# KiCad board corevus-toolboard-panelize3.kicad_pcb (continued)
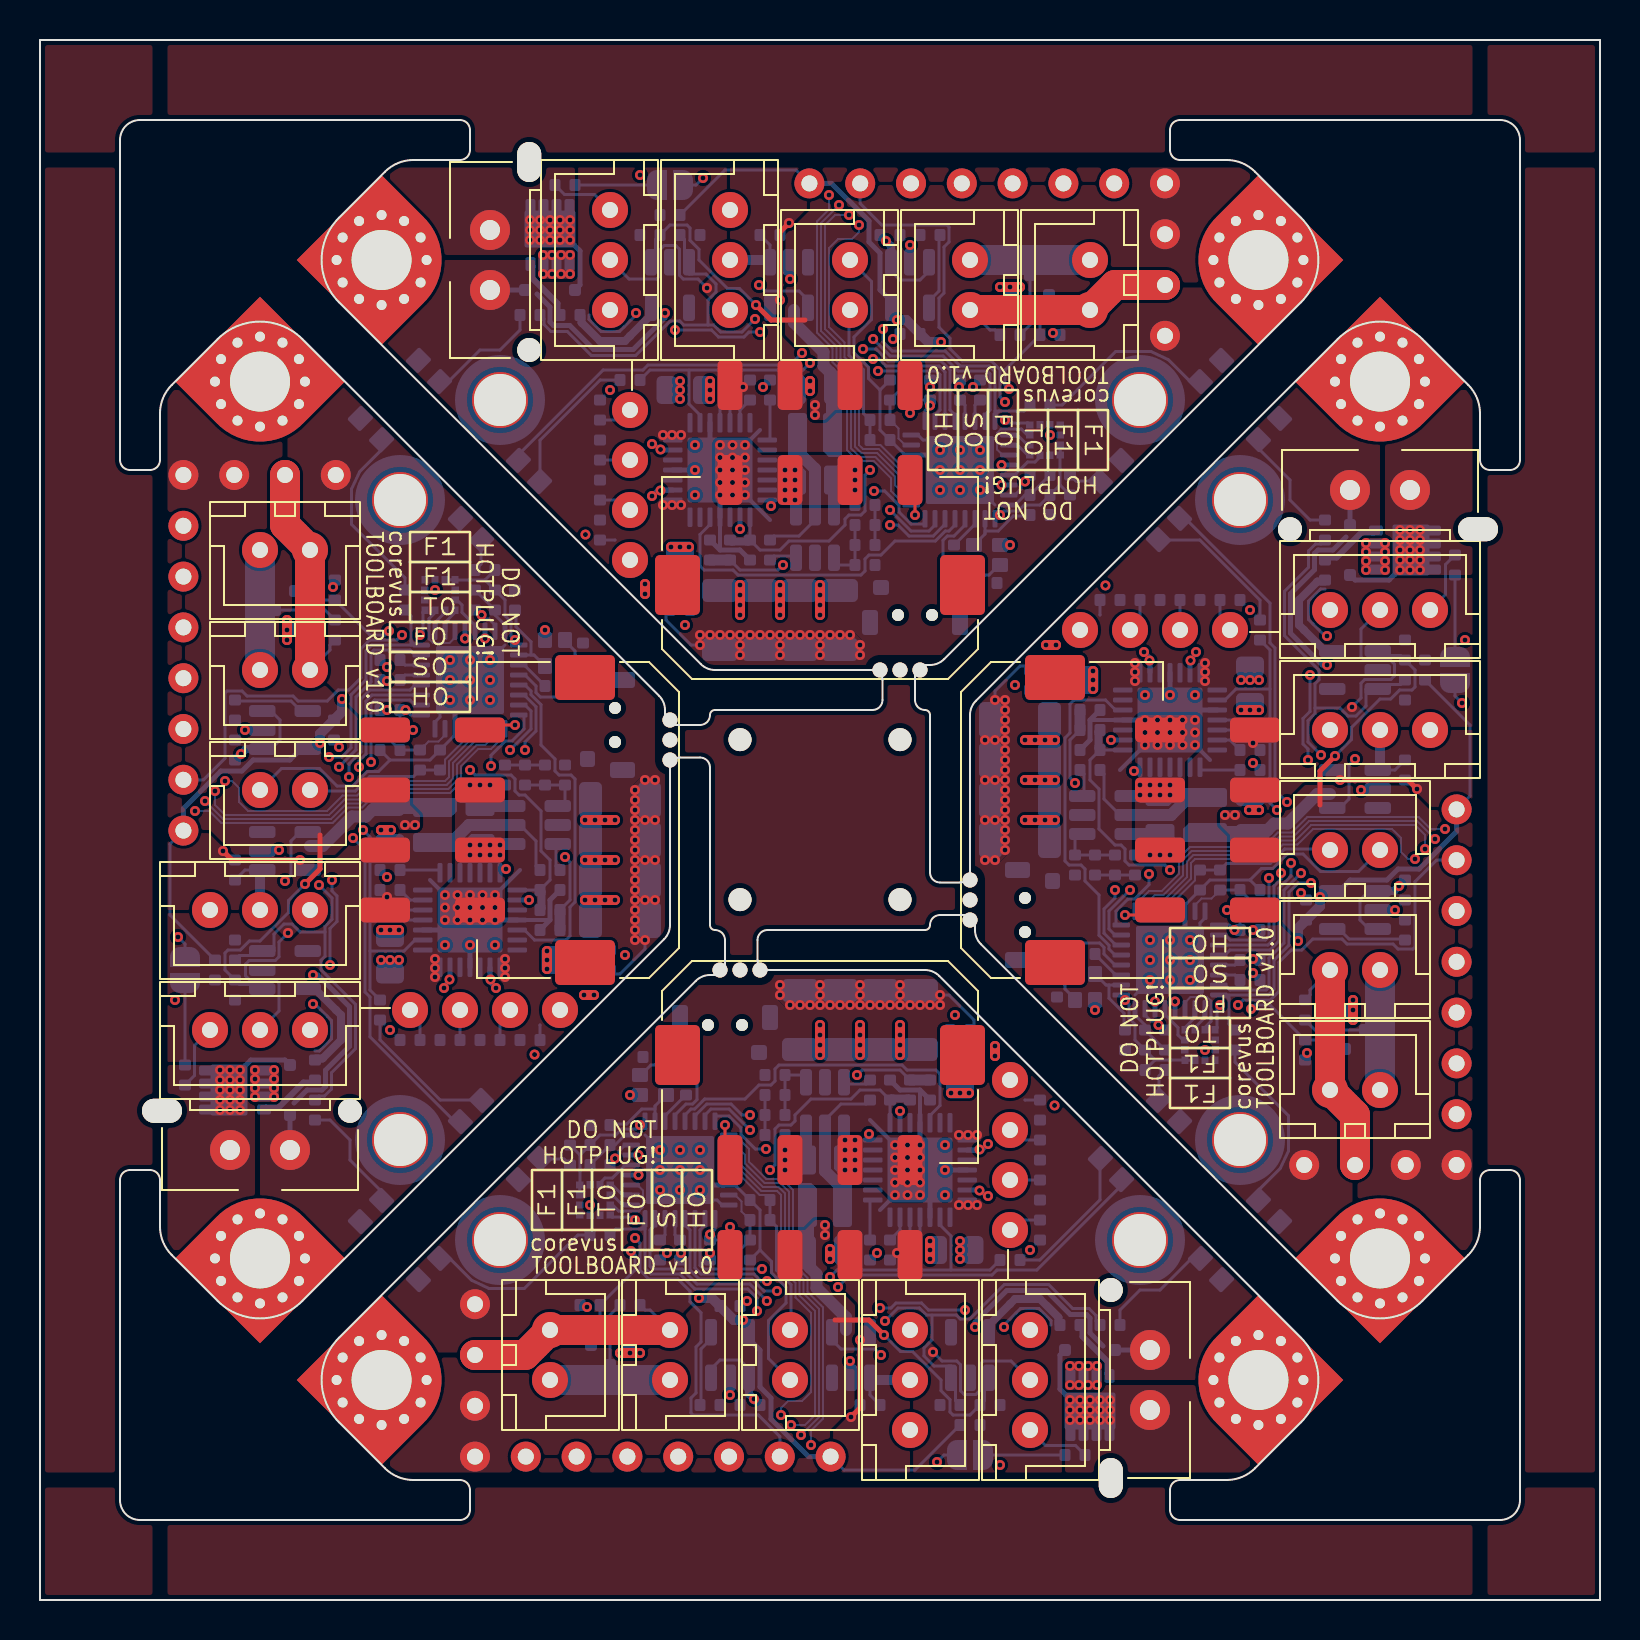
[diagram p0: board, top side]
## Routing (per net, layer and track width the routed paths; a pad name or vN(x,y) marks a point on that pad's centre or on a via; arc(x,y) is an arc through that point) (continued)
  Bottom w0.15: 33.75,24.2 34.45,24.2 35.05,23.6 35.05,23.27 35.77,22.55 v1(36.3,22.55) ; 44.25,53.8 43.55,53.8 42.95,54.4 42.95,54.73 42.23,55.45 v1(41.7,55.45) ; 24.2,44.25 24.2,43.55 23.6,42.95 23.27,42.95 22.55,42.23 v1(22.55,41.7) ; 53.8,33.75 53.8,34.45 54.4,35.05 54.73,35.05 55.45,35.77 v1(55.45,36.3)
  Bottom w0.4: v1(36.55,54.7) 36.55,54.9 ; v1(23.3,36.55) 23.1,36.55 ; v1(54.7,41.45) 54.9,41.45 ; v1(41.45,23.3) 41.45,23.1
/~{En}: length 85.7
  In1.Cu w0.15: v1(61.85,39.5) 62.5,38.85 62.5,37.79 61.45,36.74 v1(61.45,36.1) ; v1(39.5,16.15) 38.85,15.5 37.79,15.5 36.74,16.55 v1(36.1,16.55) ; v1(16.55,41.9) 16.55,41.26 15.5,40.21 15.5,39.15 v1(16.15,38.5) ; v1(38.5,61.85) 39.15,62.5 40.21,62.5 41.26,61.45 v1(41.9,61.45)
  Bottom w0.15: R21#3.2 30.5,61.5 38.15,61.5 v1(38.5,61.85) ; 45.55,16.5 45.55,18.2 45,18.75 U4#2.2 ; v1(41.9,61.45) 44.82,61.45 45,61.27 45,59.5 44.75,59.25 U3.18 ; v1(61.45,36.1) 61.45,33.18 61.27,33 59.5,33 59.25,33.25 U3#3.18 ; v1(39.5,16.15) 39.85,16.5 47.5,16.5 R21.2 ; 16.5,32.45 18.2,32.45 18.75,33 U4#4.2 ; U4#3.2 59.25,45 59.8,45.55 61.5,45.55 ; v1(16.15,38.5) 16.5,38.15 16.5,30.5 R21#4.2 ; U3#4.18 33.25,18.75 33,18.5 33,16.73 33.18,16.55 v1(36.1,16.55) ; 32.45,61.5 32.45,59.8 33,59.25 U4.2 ; v1(61.85,39.5) 61.5,39.85 61.5,47.5 R21#2.2 ; v1(16.55,41.9) 16.55,44.82 16.73,45 18.5,45 18.75,44.75 U3#2.18
/~{Reset}: length 16.8
  Bottom w0.15: SW1.1 32.85,27.07 32.85,25.02 32.63,24.8 32.3,24.8 31.75,24.25 U3#4.4 ; U3#2.4 24.25,46.25 24.8,45.7 24.8,45.37 25.02,45.15 27.07,45.15 27.38,45.45 ; U3#3.4 53.75,31.75 53.2,32.3 53.2,32.63 52.98,32.85 50.92,32.85 50.62,32.55 ; SW1#4.1 45.15,50.92 45.15,52.98 45.37,53.2 45.7,53.2 46.25,53.75 U3.4
Net-(C3-Pad1): length 12
  Bottom w0.15: R12#4.1 51.23,31.77 51.23,31.52 C3.1 51.25,30.75 51.25,30.55 51.75,30.05 ; 30.05,26.25 30.55,26.75 30.75,26.75 C3#4.1 31.52,26.77 31.77,26.77 R12.1 ; 47.95,51.75 47.45,51.25 47.25,51.25 C3#3.1 46.48,51.23 46.23,51.23 R12#2.1 ; 26.25,47.95 26.75,47.45 26.75,47.25 C3#2.1 26.77,46.48 26.77,46.23 R12#3.1
Net-(C28-Pad1): length 8
  Bottom w0.15: R15#2.2 C28#3.1 ; R15.2 C28.1 ; R15#3.2 C28#2.1 ; R15#4.2 C28#4.1
Net-(D1-A): length 12.2
  Bottom w0.25: D1#4.2 51,12.25 51,10.54 51.29,10.25 v1(51.5,10) 51.45,10.25 ; D1#2.2 27,65.75 27,67.46 26.71,67.75 v1(26.5,68) 26.55,67.75 ; D1#3.2 12.25,27 10.54,27 10.25,26.71 v1(10,26.5) 10.25,26.55 ; 67.75,51.45 v1(68,51.5) 67.75,51.29 67.46,51 65.75,51 D1.2
  vias: v1(9,26.5) v1(9,26) v1(9,25.5) v1(9,25) v1(9,24.5) v1(9.5,26.5) v1(9.5,26) v1(9.5,25.5) v1(9.5,25) v1(9.5,24.5) v1(10,26) v1(10,25.5) v1(10,25) v1(10,24.5) v1(24.5,69) v1(24.5,68.5) v1(24.5,68) v1(25,69) v1(25,68.5) v1(25,68) v1(25.5,69) v1(25.5,68.5) v1(25.5,68) v1(26,69) v1(26,68.5) v1(26,68) v1(26.5,69) v1(26.5,68.5) v1(51.5,9.5) v1(51.5,9) v1(52,10) v1(52,9.5) v1(52,9) v1(52.5,10) v1(52.5,9.5) v1(52.5,9) v1(53,10) v1(53,9.5) v1(53,9) v1(53.5,10) v1(53.5,9.5) v1(53.5,9) v1(68,53.5) v1(68,53) v1(68,52.5) v1(68,52) v1(68.5,53.5) v1(68.5,53) v1(68.5,52.5) v1(68.5,52) v1(68.5,51.5) v1(69,53.5) v1(69,53) v1(69,52.5) v1(69,52) v1(69,51.5)
Net-(D2-A): length 24.5
  Bottom w0.15: R1#4.1 24,63.5 23,62.5 22,62.5 20.42,60.92 D2#2.2 ; 60.97,57.69 60.97,57.97 ; D2#3.2 60.92,57.58 62.5,56 62.5,55 63.5,54 R1.1 ; 17.03,20.31 17.03,20.03 ; D2#4.2 17.08,20.42 15.5,22 15.5,23 14.5,24 R1#3.1 ; 20.31,60.97 20.03,60.97 ; 57.69,17.03 57.97,17.03 ; R1#2.1 54,14.5 55,15.5 56,15.5 57.58,17.08 D2.2
Net-(D3-K): length 29.1
  Bottom w0.15: R21#3.1 28.01,61 25,57.99 25,56 25.03,55.97 ; 22.03,25.03 22,25 20.01,25 17,28.01 R21#4.1 ; R21#2.1 61,49.99 57.99,53 56,53 55.97,52.97 ; 52.97,22.03 53,22 53,20.01 49.99,17 R21.1
Net-(D4-A): length 6.9
  Bottom w0.15: 22.03,52.97 D4#4.2 22.05,52.99 22.05,51.8 R17#2.1 ; R17#3.1 55.95,26.2 55.95,25.01 D4.2 55.97,25.03 ; R17.1 51.8,55.95 52.99,55.95 D4#3.2 52.97,55.97 ; R17#4.1 26.2,22.05 25.01,22.05 D4#2.2 25.03,22.03
Net-(D5-A): length 37.8
  Bottom w0.15: 57.97,61.32 57.97,60.97 57.46,60.97 56.41,62.01 55.55,62.42 53.78,62.42 51.11,59.75 R8#4.1 ; 16.68,57.97 17.03,57.97 17.03,57.46 15.99,56.41 15.57,55.55 15.57,53.78 18.25,51.11 R8#3.1 ; R8.1 59.75,26.89 62.42,24.22 62.42,22.45 62.01,21.59 60.97,20.54 60.97,20.03 61.32,20.03 ; R8#2.1 26.89,18.25 24.22,15.57 22.45,15.57 21.59,15.99 20.54,17.03 20.03,17.03 20.03,16.68
Net-(J2-Pin_2): length 14.2
  Bottom w0.15: U7#3.1 67.75,41.5 C6#2.1 ; U7#2.1 41.5,10.25 C6#3.1 ; C6#4.1 10.25,36.5 U7.1 ; C6.1 36.5,67.75 U7#4.1
  Bottom w0.5: 34.52,67 36.5,67 ; 11,34.52 11,36.5 ; 67,43.48 67,41.5 ; 43.48,11 41.5,11
Net-(J6-Pin_1): length 38.6
  Bottom w0.15: C23.2 63.75,28.5 Q4#3.3 ; Q4.3 49.5,63.75 C23#4.2 ; Q4#4.3 28.5,14.25 C23#3.2 ; Q4#2.3 14.25,49.5 C23#2.2
  Bottom w1.5: J7#3.1 J6#2.1 ; J7#2.1 J6#4.1 ; J7#4.1 J6#3.1 ; J7.1 J6.1
Net-(Q2-G): length 12.6
  Bottom w0.3: R9.1 64.38,52.12 64.83,52.12 66.08,53.38 66.7,53.38 Q2#3.4 ; R9#3.1 52.12,13.62 52.12,13.18 53.38,11.93 53.38,11.3 Q2#4.4 ; Q2.4 11.3,24.62 11.93,24.62 13.18,25.88 13.62,25.88 R9#2.1 ; R9#4.1 25.88,64.38 25.88,64.83 24.62,66.08 24.62,66.7 Q2#2.4
Net-(U2-BOOT): length 6.4
  Bottom w0.15: C7.1 25.8,36.7 25.8,37.71 U2#3.6 25.7,37.8 ; 37.8,52.3 U2.6 37.71,52.2 36.7,52.2 C7#3.1 ; 52.3,40.2 U2#2.6 52.2,40.29 52.2,41.3 C7#2.1 ; C7#4.1 41.3,25.8 40.29,25.8 U2#4.6 40.2,25.7
Net-(U2-FB): length 12
  Bottom w0.15: 39.75,51.75 R10#3.1 R11.2 ; R11#4.2 R10#4.1 26.25,39.75 ; R11#3.2 R10.1 38.25,26.25 ; R11#2.2 R10#2.1 51.75,38.25
Net-(U2-SW): length 27
  Bottom w0.15: C7#4.2 41.3,24.8 40.05,24.8 39.25,24 U2#4.2 ; C7.2 24.8,36.7 24.8,37.95 24,38.75 U2#3.2 ; C7#2.2 53.2,41.3 53.2,40.05 54,39.25 U2#2.2 ; U2.2 38.75,54 37.95,53.2 36.7,53.2 C7#3.2
  Bottom w0.5: 58.03,39.9 L1#2.1 ; 39.9,19.97 L1#3.1 ; 19.97,38.1 L1.1 ; 38.1,58.03 L1#4.1
  Bottom w0.6: 20.6,37.9 20.6,37.91 21.44,38.75 U2#3.2 ; U2#4.2 39.25,21.44 40.09,20.6 40.1,20.6 ; 57.4,40.1 57.4,40.09 56.56,39.25 U2#2.2 ; U2.2 38.75,56.56 37.91,57.4 37.9,57.4
Net-(U3-PF0): length 16.5
  Bottom w0.15: Y1#4.3 47.25,53.3 U3.2 ; Y1#3.3 53.3,30.75 U3#3.2 ; U3#4.2 30.75,24.7 Y1#2.3 ; Y1.3 24.7,47.25 U3#2.2 ; C2#4.1 23.8,49.45 23.8,48.66 24.55,47.91 24.55,47.25 ; 53.45,30.75 53.45,30.09 54.2,29.34 54.2,28.55 C2#2.1 ; C2.1 49.45,54.2 48.66,54.2 47.91,53.45 47.25,53.45 ; C2#3.1 28.55,23.8 29.34,23.8 30.09,24.55 30.75,24.55
Net-(U3-PF1): length 7
  Bottom w0.15: U3.3 46.75,53.79 45.71,52.75 R12#2.2 ; R12.2 32.29,25.25 31.25,24.21 U3#4.3 ; U3#3.3 53.79,31.25 52.75,32.29 R12#4.2 ; R12#3.2 25.25,45.71 24.21,46.75 U3#2.3
Net-(U4-5VOUT): length 8
  Bottom w0.15: C4#4.1 20,36.5 ; C4#3.1 36.5,58 ; C4#2.1 58,41.5 ; C4.1 41.5,20
Net-(U4-BRA): length 8.2
  Top w0.5: v1(45.55,25.35) v1(46.45,25.35) ; v1(25.35,32.45) v1(25.35,31.55) ; v1(52.65,45.55) v1(52.65,46.45) ; v1(32.45,52.65) v1(31.55,52.65)
  Bottom w0.25: U4#4.23 22.5,30.9 v1(22.8,30.6) ; U4#3.23 55.5,47.1 v1(55.2,47.4) ; U4.23 30.9,55.5 v1(30.6,55.2) ; U4#2.23 47.1,22.5 v1(47.4,22.8)
  vias: v1(22.52,31.02) v1(25.35,32) v1(31.02,55.48) v1(32,52.65) v1(46,25.35) v1(46.98,22.52) v1(52.65,46) v1(55.48,46.98)
Net-(U4-BRB): length 4.6
  Bottom w0.15: U4#2.27 46.95,20.5 v1(46.98,20.48) 47.25,20.2 v1(47.4,20.2) ; v1(20.2,30.6) 20.2,30.75 v1(20.48,31.02) 20.5,31.05 U4#4.27 ; v1(30.6,57.8) 30.75,57.8 v1(31.02,57.52) 31.05,57.5 U4.27 ; v1(57.8,47.4) 57.8,47.25 v1(57.52,46.98) 57.5,46.95 U4#3.27
  vias: v1(17.05,32) v1(17.5,32) v1(17.95,32) v1(32,60.95) v1(32,60.5) v1(32,60.05) v1(46,17.95) v1(46,17.5) v1(46,17.05) v1(60.05,46) v1(60.5,46) v1(60.95,46)
Net-(U4-CPI): length 4.6
  Bottom w0.15: U4#2.5 C9#3.2 ; U4#4.5 C9#4.2 ; U4.5 C9.2 ; U4#3.5 C9#2.2
Net-(U4-CPO): length 9.4
  Bottom w0.15: C9#2.1 60.5,44 U4#3.4 ; C9.1 34,60.5 U4.4 ; C9#3.1 44,17.5 U4#2.4 ; C9#4.1 17.5,34 U4#4.4
Net-(U4-VCP): length 5.4
  Bottom w0.15: U4#3.6 59.5,43 C8#3.1 ; C8#2.1 35,59.5 U4.6 ; U4#2.6 43,18.5 C8.1 ; U4#4.6 18.5,35 C8#4.1
Net-(U6-BP): length 15.5
  Bottom w0.15: U6#4.4 44.45,64.95 44.95,65.45 44.95,68.2 C31#4.2 ; C31.2 9.8,44.95 12.55,44.95 13.05,44.45 U6#2.4 ; U6.4 33.55,13.05 33.05,12.55 33.05,9.8 C31#2.2 ; U6#3.4 64.95,33.55 65.45,33.05 68.2,33.05 C31#3.2

## Copper pours and planes (outline as drawn; the poured copper is in the pictures)
+3.3V on Bottom: 42.05,25.45 43.95,25.45 43.95,24.9 43.5,24.45 43.5,23.38 42.38,23.38 42.05,23.7
+3.3V on Bottom: 35.95,52.55 34.05,52.55 34.05,53.1 34.5,53.55 34.5,54.62 35.62,54.62 35.95,54.3
+3.3V on Bottom: 25.45,35.95 25.45,34.05 24.9,34.05 24.45,34.5 23.38,34.5 23.38,35.62 23.7,35.95
+3.3V on Bottom: 52.55,42.05 52.55,43.95 53.1,43.95 53.55,43.5 54.62,43.5 54.62,42.38 54.3,42.05
+5V on Top: 14,37.25 9.75,37.25 8.5,38.5 6,38.5 6,34.5 10.9,34.5 12.3,33.1 12.5,33.1 14,34.6
+5V on Top: 37.25,64 37.25,68.25 38.5,69.5 38.5,72 34.5,72 34.5,67.1 33.1,65.7 33.1,65.5 34.6,64
+5V on Top: 40.75,14 40.75,9.75 39.5,8.5 39.5,6 43.5,6 43.5,10.9 44.9,12.3 44.9,12.5 43.4,14
+5V on Top: 64,40.75 68.25,40.75 69.5,39.5 72,39.5 72,43.5 67.1,43.5 65.7,44.9 65.5,44.9 64,43.4
+5V on Bottom: 42.85,13.15 41.7,14.3 40,14.3 40,12.55 42.85,12.55
+5V on Bottom: 35.15,64.85 36.3,63.7 38,63.7 38,65.45 35.15,65.45
+5V on Bottom: 64.85,42.85 63.7,41.7 63.7,40 65.45,40 65.45,42.85
+5V on Bottom: 13.15,35.15 14.3,36.3 14.3,38 12.55,38 12.55,35.15
+12V on Top: 39.75,59.5 39.25,59 38.75,59 38.5,59.25 38.5,62 40.88,62 41.12,61.75 41.12,59.75 40.88,59.5
+12V on Top: 38.25,18.5 38.75,19 39.25,19 39.5,18.75 39.5,16 37.12,16 36.88,16.25 36.88,18.25 37.12,18.5
+12V on Top: 59.5,38.25 59,38.75 59,39.25 59.25,39.5 62,39.5 62,37.12 61.75,36.88 59.75,36.88 59.5,37.12
+12V on Top: 64.5,31.5 64.5,25.5 65.88,24.13 65.88,17.5 72,17.5 72,23.12 70.75,24.38 70.75,39.5 69.5,39.5 68.25,40.75 63.25,40.75 62,39.5 59.5,39.5 59.5,34.5 61.5,34.5
+12V on Top: 31.5,13.5 25.5,13.5 24.13,12.12 17.5,12.12 17.5,6 23.12,6 24.38,7.25 39.5,7.25 39.5,8.5 40.75,9.75 40.75,14.75 39.5,16 39.5,18.5 34.5,18.5 34.5,16.5
+12V on Top: 18.5,39.75 19,39.25 19,38.75 18.75,38.5 16,38.5 16,40.88 16.25,41.12 18.25,41.12 18.5,40.88
+12V on Top: 46.5,64.5 52.5,64.5 53.87,65.88 60.5,65.88 60.5,72 54.88,72 53.62,70.75 38.5,70.75 38.5,69.5 37.25,68.25 37.25,63.25 38.5,62 38.5,59.5 43.5,59.5 43.5,61.5
+12V on Top: 13.5,46.5 13.5,52.5 12.12,53.87 12.12,60.5 6,60.5 6,54.88 7.25,53.62 7.25,38.5 8.5,38.5 9.75,37.25 14.75,37.25 16,38.5 18.5,38.5 18.5,43.5 16.5,43.5
+12V on Bottom: 37.75,24.25 39.25,24.25 39.25,21.5 39.55,21.2 39.55,18 38.25,18 38.25,20.55 37.75,21.05
+12V on Bottom: 24.25,40.25 24.25,38.75 21.5,38.75 21.2,38.45 18,38.45 18,39.75 20.55,39.75 21.05,40.25
+12V on Bottom: 53.75,37.75 53.75,39.25 56.5,39.25 56.8,39.55 60,39.55 60,38.25 57.45,38.25 56.95,37.75
+12V on Bottom: 40.25,53.75 38.75,53.75 38.75,56.5 38.45,56.8 38.45,60 39.75,60 39.75,57.45 40.25,56.95
+24V on Top: 23.75,64.25 23.75,66.75 21.25,66.75 21.25,64.25
+24V on Top: 54.25,13.75 54.25,11.25 56.75,11.25 56.75,13.75
+24V on Top: 44.83,31.33 65.16,11 53.25,11 53.25,11.7 52.85,12.1 51.5,12.1 51.1,11.7 51.1,6.05 43.5,6.05 43.5,10.9 44.9,12.3 44.9,12.5 43.4,14 26,14 24.38,12.37 14.21,12.38 33.17,31.33
+24V on Top: 57.5,62 57.5,64.5 55,64.5 55,62
+24V on Top: 31.33,33.17 11,12.84 11,24.75 11.7,24.75 12.1,25.15 12.1,26.5 11.7,26.9 6.05,26.9 6.05,34.5 10.9,34.5 12.3,33.1 12.5,33.1 14,34.6 14,52 12.37,53.62 12.38,63.79 31.33,44.83
+24V on Top: 13.75,23.75 11.25,23.75 11.25,21.25 13.75,21.25
+24V on Top: 20.5,16 20.5,13.5 23,13.5 23,16
+24V on Top: 16,57.5 13.5,57.5 13.5,55 16,55
+24V on Top: 46.67,44.83 67,65.16 67,53.25 66.3,53.25 65.9,52.85 65.9,51.5 66.3,51.1 71.95,51.1 71.95,43.5 67.1,43.5 65.7,44.9 65.5,44.9 64,43.4 64,26 65.63,24.38 65.62,14.21 46.67,33.17
+24V on Top: 33.17,46.67 12.84,67 24.75,67 24.75,66.3 25.15,65.9 26.5,65.9 26.9,66.3 26.9,71.95 34.5,71.95 34.5,67.1 33.1,65.7 33.1,65.5 34.6,64 52,64 53.62,65.63 63.79,65.62 44.83,46.67
+24V on Top: 62,20.5 64.5,20.5 64.5,23 62,23
+24V on Top: 64.25,54.25 66.75,54.25 66.75,56.75 64.25,56.75
+24V on Top, Bottom, In1.Cu, In2.Cu: 37.4,29.5 36.75,30.15 36.75,31.5 46.65,31.5 46.65,29.5
+24V on Top, Bottom, In1.Cu, In2.Cu: 40.6,48.5 41.25,47.85 41.25,46.5 31.35,46.5 31.35,48.5
+24V on Top, Bottom, In1.Cu, In2.Cu: 48.5,37.4 47.85,36.75 46.5,36.75 46.5,46.65 48.5,46.65
+24V on Top, Bottom, In1.Cu, In2.Cu: 29.5,40.6 30.15,41.25 31.5,41.25 31.5,31.35 29.5,31.35
GND on Top: 11.95,26.75 11.95,24.9 10.5,24.9 10.5,26.75
GND on Top: 66.05,51.25 66.05,53.1 67.5,53.1 67.5,51.25
GND on Top: 34,54.75 33.75,55 33.75,57.75 34,58 35.35,58 36.1,57.25 41,57.25 41.12,57.13 41.12,54.88 41,54.75
GND on Top: 54.75,44 55,44.25 57.75,44.25 58,44 58,42.65 57.25,41.9 57.25,37 57.13,36.88 54.88,36.88 54.75,37
GND on Top: 23.25,34 23,33.75 20.25,33.75 20,34 20,35.35 20.75,36.1 20.75,41 20.87,41.12 23.12,41.12 23.25,41
GND on Top: 26.75,66.05 24.9,66.05 24.9,67.5 26.75,67.5
GND on Top: 51.25,11.95 53.1,11.95 53.1,10.5 51.25,10.5
GND on Top: 44,23.25 44.25,23 44.25,20.25 44,20 42.65,20 41.9,20.75 37,20.75 36.88,20.87 36.88,23.12 37,23.25
GND on Bottom, In1.Cu, In2.Cu: 36,54.5 32,54.5 32,58.5 36,58.5
GND on Bottom, In1.Cu, In2.Cu: 60.74,62.58 65.16,67 60.74,71.42 57.56,68.24 57.56,65.76
GND on Bottom, In1.Cu, In2.Cu: 42,23.5 46,23.5 46,19.5 42,19.5
GND on Bottom, In1.Cu, In2.Cu: 60.74,6.58 65.16,11 60.74,15.42 57.56,12.24 57.56,9.76
GND on Bottom, In1.Cu, In2.Cu: 54.5,42 54.5,46 58.5,46 58.5,42
GND on Bottom, In1.Cu, In2.Cu: 62.58,17.26 67,12.84 71.42,17.26 68.24,20.44 65.76,20.44
GND on Bottom, In1.Cu, In2.Cu: 15.42,60.74 11,65.16 6.58,60.74 9.76,57.56 12.24,57.56
GND on Bottom, In1.Cu, In2.Cu: 44.83,31.33 65.16,11 60.21,6.05 17.79,6.05 12.84,11 33.17,31.33
GND on Bottom, In1.Cu, In2.Cu: 33.17,46.67 12.84,67 17.79,71.95 60.21,71.95 65.16,67 44.83,46.67
GND on Bottom, In1.Cu, In2.Cu: 6.58,17.26 11,12.84 15.42,17.26 12.24,20.44 9.76,20.44
GND on Bottom, In1.Cu, In2.Cu: 46.67,44.83 67,65.16 71.95,60.21 71.95,17.79 67,12.84 46.67,33.17
GND on Bottom, In1.Cu, In2.Cu: 17.26,15.42 12.84,11 17.26,6.58 20.44,9.76 20.44,12.24
GND on Bottom, In1.Cu, In2.Cu: 71.42,60.74 67,65.16 62.58,60.74 65.76,57.56 68.24,57.56
GND on Bottom, In1.Cu, In2.Cu: 17.26,71.42 12.84,67 17.26,62.58 20.44,65.76 20.44,68.24
GND on Bottom, In1.Cu, In2.Cu: 23.5,36 23.5,32 19.5,32 19.5,36
GND on Bottom, In1.Cu, In2.Cu: 31.33,33.17 11,12.84 6.05,17.79 6.05,60.21 11,65.16 31.33,44.83
GND on In1.Cu, In2.Cu: 21,20 21,16 25,16 25,20
GND on In1.Cu, In2.Cu: 58,21 62,21 62,25 58,25
GND on In1.Cu, In2.Cu: 20,25 16,25 16,21 20,21
GND on In1.Cu, In2.Cu: 57,58 57,62 53,62 53,58
GND on In1.Cu, In2.Cu: 53,20 53,16 57,16 57,20
GND on In1.Cu, In2.Cu: 20,57 16,57 16,53 20,53
GND on In1.Cu, In2.Cu: 25,58 25,62 21,62 21,58
GND on In1.Cu, In2.Cu: 58,53 62,53 62,57 58,57
(no net) on Top, Bottom, In1.Cu, In2.Cu: 78,78 78,0 0,0 0,78
/A1 on Bottom: 55.75,45.85 56.35,45.85 56.35,48.15 55.95,48.55 55.95,49.4 53.6,49.4 53.6,48.5 54.5,47.6 54.95,47.6 55.75,46.79
/A1 on Bottom: 32.15,55.75 32.15,56.35 29.85,56.35 29.45,55.95 28.6,55.95 28.6,53.6 29.5,53.6 30.4,54.5 30.4,54.95 31.21,55.75
/A1 on Bottom: 45.85,22.25 45.85,21.65 48.15,21.65 48.55,22.05 49.4,22.05 49.4,24.4 48.5,24.4 47.6,23.5 47.6,23.05 46.79,22.25
/A1 on Bottom: 22.25,32.15 21.65,32.15 21.65,29.85 22.05,29.45 22.05,28.6 24.4,28.6 24.4,29.5 23.5,30.4 23.05,30.4 22.25,31.21
/A2 on Bottom: 54.65,45.25 52.5,45.25 52.5,46.25 51.1,47.65 51.1,48.85 51.65,49.4 53.6,49.4 54.5,48.5 54.5,47.15 54.65,47
/A2 on Bottom: 32.75,54.65 32.75,52.5 31.75,52.5 30.35,51.1 29.15,51.1 28.6,51.65 28.6,53.6 29.5,54.5 30.85,54.5 31,54.65
/A2 on Bottom: 45.25,23.35 45.25,25.5 46.25,25.5 47.65,26.9 48.85,26.9 49.4,26.35 49.4,24.4 48.5,23.5 47.15,23.5 47,23.35
/A2 on Bottom: 23.35,32.75 25.5,32.75 25.5,31.75 26.9,30.35 26.9,29.15 26.35,28.6 24.4,28.6 23.5,29.5 23.5,30.85 23.35,31
/B1 on Bottom: 32.75,58.35 31.2,58.35 30.75,57.9 28.6,57.9 28.6,59.5 29.5,60.4 31.85,60.4 32.75,59.5
/B1 on Bottom: 58.35,45.25 58.35,46.8 57.9,47.25 57.9,49.4 59.5,49.4 60.4,48.5 60.4,46.15 59.5,45.25
/B1 on Bottom: 45.25,19.65 46.8,19.65 47.25,20.1 49.4,20.1 49.4,18.5 48.5,17.6 46.15,17.6 45.25,18.5
/B1 on Bottom: 19.65,32.75 19.65,31.2 20.1,30.75 20.1,28.6 18.5,28.6 17.6,29.5 17.6,31.85 18.5,32.75
/B2 on Bottom: 32.15,56.35 29.75,56.35 29.5,56.1 28.6,56.1 28.6,57.9 30.43,57.9 31.07,57.25 32.15,57.25
/B2 on Bottom: 56.35,45.85 56.35,48.25 56.1,48.5 56.1,49.4 57.9,49.4 57.9,47.58 57.25,46.92 57.25,45.85
/B2 on Bottom: 21.65,32.15 21.65,29.75 21.9,29.5 21.9,28.6 20.1,28.6 20.1,30.43 20.75,31.07 20.75,32.15
/B2 on Bottom: 45.85,21.65 48.25,21.65 48.5,21.9 49.4,21.9 49.4,20.1 47.58,20.1 46.92,20.75 45.85,20.75
Net-(C28-Pad1) on Bottom: 41.3,52.3 41.3,55.2 42.1,55.2 42.1,52.3
Net-(C28-Pad1) on Bottom: 36.7,25.7 36.7,22.8 35.9,22.8 35.9,25.7
Net-(C28-Pad1) on Bottom: 52.3,36.7 55.2,36.7 55.2,35.9 52.3,35.9
Net-(C28-Pad1) on Bottom: 25.7,41.3 22.8,41.3 22.8,42.1 25.7,42.1
Net-(D1-A) on Top, In1.Cu, In2.Cu: 67.25,53.25 67.65,52.85 67.65,51.25 71.95,51.25 71.95,60.3 71.75,60.5 69.75,60.5 67.25,58
Net-(D1-A) on Top, In1.Cu, In2.Cu: 10.75,24.75 10.35,25.15 10.35,26.75 6.05,26.75 6.05,17.7 6.25,17.5 8.25,17.5 10.75,20
Net-(D1-A) on Top, In1.Cu, In2.Cu: 53.25,10.75 52.85,10.35 51.25,10.35 51.25,6.05 60.3,6.05 60.5,6.25 60.5,8.25 58,10.75
Net-(D1-A) on Top, In1.Cu, In2.Cu: 24.75,67.25 25.15,67.65 26.75,67.65 26.75,71.95 17.7,71.95 17.5,71.75 17.5,69.75 20,67.25
Net-(D1-A) on Bottom: 67.62,51 67.62,52.85 67.25,52.85 67.25,56.5 69,56.5 70.25,55.25 70.25,51
Net-(D1-A) on Bottom: 27,67.62 25.15,67.62 25.15,67.25 21.5,67.25 21.5,69 22.75,70.25 27,70.25
Net-(D1-A) on Bottom: 51,10.38 52.85,10.38 52.85,10.75 56.5,10.75 56.5,9 55.25,7.75 51,7.75
Net-(D1-A) on Bottom: 10.38,27 10.38,25.15 10.75,25.15 10.75,21.5 9,21.5 7.75,22.75 7.75,27
Net-(U2-FB) on Bottom: 41.2,51.3 39,51.3 39,53 39.5,53 40.25,53.75 40.25,54.2 41.2,54.2
Net-(U2-FB) on Bottom: 26.7,41.2 26.7,39 25,39 25,39.5 24.25,40.25 23.8,40.25 23.8,41.2
Net-(U2-FB) on Bottom: 51.3,36.8 51.3,39 53,39 53,38.5 53.75,37.75 54.2,37.75 54.2,36.8
Net-(U2-FB) on Bottom: 36.8,26.7 39,26.7 39,25 38.5,25 37.75,24.25 37.75,23.8 36.8,23.8
Net-(U4-BRA) on Bottom: 32.15,55.73 30.95,55.73 30.35,55.35 30.35,54.95 32.15,54.95
Net-(U4-BRA) on Bottom: 55.73,45.85 55.73,47.05 55.35,47.65 54.95,47.65 54.95,45.85
Net-(U4-BRA) on Bottom: 45.85,22.27 47.05,22.27 47.65,22.65 47.65,23.05 45.85,23.05
Net-(U4-BRA) on Bottom: 22.27,32.15 22.27,30.95 22.65,30.35 23.05,30.35 23.05,32.15
Net-(U4-BRA) on In2.Cu: 45.25,25.75 48.5,25.75 48.5,21.5 44.25,21.5 44.25,24.75
Net-(U4-BRA) on In2.Cu: 25.75,32.75 25.75,29.5 21.5,29.5 21.5,33.75 24.75,33.75
Net-(U4-BRA) on In2.Cu: 52.25,45.25 52.25,48.5 56.5,48.5 56.5,44.25 53.25,44.25
Net-(U4-BRA) on In2.Cu: 32.75,52.25 29.5,52.25 29.5,56.5 33.75,56.5 33.75,53.25
Net-(U4-BRB) on Bottom: 20.73,32.15 20.73,30.95 20.35,30.35 19.95,30.35 19.95,32.15
Net-(U4-BRB) on Bottom: 32.25,60.05 32,59.8 31.1,59.8 30.98,59.93 30.98,61.08 31.1,61.2 32,61.2 32.25,60.95
Net-(U4-BRB) on Bottom: 45.85,20.73 47.05,20.73 47.65,20.35 47.65,19.95 45.85,19.95
Net-(U4-BRB) on Bottom: 17.95,32.25 18.2,32 18.2,31.1 18.07,30.98 16.93,30.98 16.8,31.1 16.8,32 17.05,32.25
Net-(U4-BRB) on Bottom: 57.27,45.85 57.27,47.05 57.65,47.65 58.05,47.65 58.05,45.85
Net-(U4-BRB) on Bottom: 60.05,45.75 59.8,46 59.8,46.9 59.93,47.02 61.08,47.02 61.2,46.9 61.2,46 60.95,45.75
Net-(U4-BRB) on Bottom: 32.15,57.27 30.95,57.27 30.35,57.65 30.35,58.05 32.15,58.05
Net-(U4-BRB) on Bottom: 45.75,17.95 46,18.2 46.9,18.2 47.02,18.07 47.02,16.93 46.9,16.8 46,16.8 45.75,17.05
Net-(U4-BRB) on In2.Cu: 21.5,29.5 18.5,29.5 16.75,31.25 16.75,32.05 17.7,33 18.25,33 19,33.75 21.5,33.75
Net-(U4-BRB) on In2.Cu: 29.5,56.5 29.5,59.5 31.25,61.25 32.05,61.25 33,60.3 33,59.75 33.75,59 33.75,56.5
Net-(U4-BRB) on In2.Cu: 48.5,21.5 48.5,18.5 46.75,16.75 45.95,16.75 45,17.7 45,18.25 44.25,19 44.25,21.5
Net-(U4-BRB) on In2.Cu: 56.5,48.5 59.5,48.5 61.25,46.75 61.25,45.95 60.3,45 59.75,45 59,44.25 56.5,44.25

Small or netless copper shapes (teardrops, artwork), in the pictures only: 8 on Bottom

## Text on the board
B.Silkscreen: HEAT | EXTR | PWR | HOT! | DFU | 12V | 24 | 12 | GND | PA7 | PA6 | PA5 | PA4 | PB8 | 3V3 | MERIDI ENGINEERING SEP 2024 / COREVUS TOOLBOARD v1.0 | RESET | PCF
F.Silkscreen: TOOLBOARD v1.0 | corevus | DO NOT / HOTPLUG! | H0 | S0 | F0 | T0 | F1
